# Altium PCB Copy of ToucanEyePCB.PcbDoc (part 1 of 3) (continued)
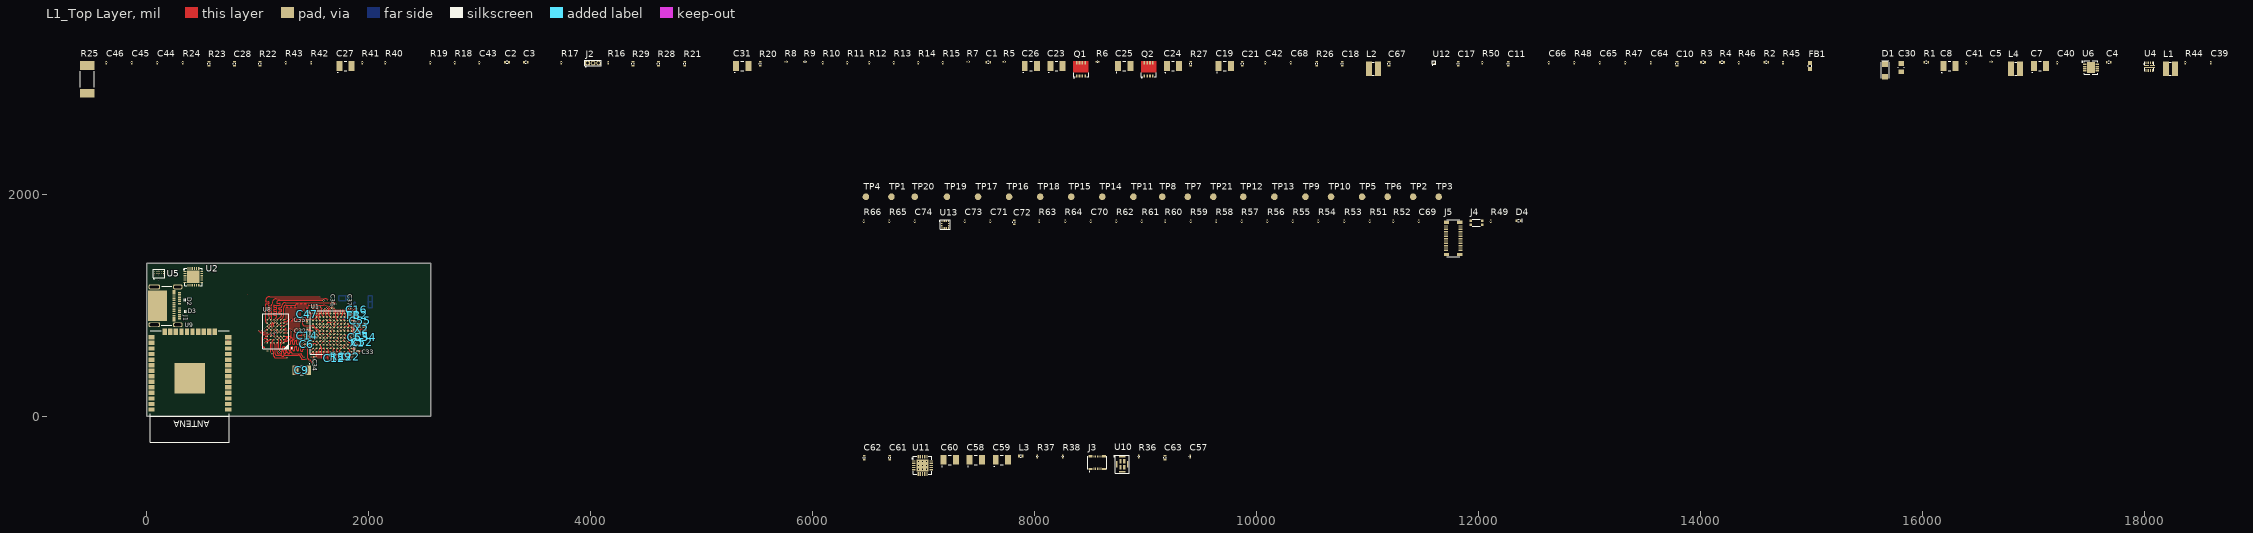
[diagram p0: L1_Top Layer view]
## Part data (continued)
J1: "MOLEX         105450-0101             USB Connector, USB Type C, USB 3.1, Receptacle, 24 Ways, Surface Mount, Right Angle", Manufacturer=Molex, Max Operating Temperature=85°C, Min Operating Temperature=-30°C, Supplier Part Number 1=538-105450-0101, *PCBChecked=1, *SCHChecked=1, ComponentLink1Description=http://www.farnell.com/datasheets/2015275.pdf, ComponentLink1URL=http://www.farnell.com/datasheets/2015275.pdf, ComponentLink2Description=http://www.literature.molex.com/SQLImages/kelmscott/Molex/PDF_Images/987651-4081.PDF, ComponentLink2URL=http://www.literature.molex.com/SQLImages/kelmscott/Molex/PDF_Images/987651-4081.PDF, ComponentLink3Description=http://www.molex.com/pdm_docs/sd/1054500101_sd.pdf, ComponentLink3URL=http://www.molex.com/pdm_docs/sd/1054500101_sd.pdf, Connector Type="USB type C", Contact Material="Copper Alloy", Contact Plating=Nickel,Gold, Gender=Receptacle, Housing Material=Thermoplastic, Length=8.94mm, Manufacturer Part Number=105450-0101, Mount="Surface Mount,Horizontal", Number of Contacts=24, Number of Ports=1, Number of Terminals=24, Orientation="Right Angle", Packaging="Tape and Reel", Pitch=0.5mm, Pricing 1="1=1.87, 10=1.69, 50=1.69, 100=1.54, 1000=1.31, 10000=1.02 (USD)", REACH SVHC=Unknown, Stock 1=15165, Supplier 1=Mouser, Termination=Solder, USB Standard="USB 3.1"
J3: "CONN RCPT 10POS 0.4MM SMD GOLD", Manufacturer=Hirose, Package Quantity=1, Supplier Part Number 1=798-BM10NB0610DS4V51, *PCBChecked=1, *SCHChecked=1, ComponentLink1Description=http://www.mouser.com/catalog/specsheets/BM10_Flyer.pdf, ComponentLink1URL=http://www.mouser.com/catalog/specsheets/BM10_Flyer.pdf, ComponentLink2Description=https://www.hirose.com/product/download/?distributor=digikey&type=2d&lang=en&num=BM10NB(0.6)-10DS-0.4V(51), ComponentLink2URL=https://www.hirose.com/product/download/?distributor=digikey&type=2d&lang=en&num=BM10NB(0.6)-10DS-0.4V(51), Connector Type=Receptacle, Contact Plating=Gold, Manufacturer Part Number=BM10NB(0.6)-10DS-0.4V(51), Mount="Surface Mount", Number of Positions=10, Number of Rows=2, Packaging="Tape and Reel", Pitch=0.016inch, Pricing 1="1=0.63, 10=0.501, 50=0.501, 100=0.414, 1000=0.326, 10000=0.263 (USD)", Stack Height=0.6mm, Stock 1=3831, Supplier 1=Mouser, Termination=SMD/SMT
J4: "Tactile Switch SPST-NO Top Actuated Surface Mount", Manufacturer=Panasonic, Max Operating Temperature=85°C, Min Operating Temperature=-40°C, Operating Force=160gf, Supplier Part Number 1=667-EVP-BB2A9B000, *PCBChecked=1, *SCHChecked=1, ComponentLink1Description=//media.digikey.com/pdf/Data%20Sheets/Panasonic%20Switches%20PDFs/EVP-BB_Series_NPI.pdf, ComponentLink1URL=//media.digikey.com/pdf/Data%20Sheets/Panasonic%20Switches%20PDFs/EVP-BB_Series_NPI.pdf, Illumination Type=Non-Illuminated, Lead Free="Lead Free", Manufacturer Part Number=EVP-BB2A9B000, Mechanical Life=500000Cycles, Mount="Surface Mount", Packaging="Tape and Reel", Pricing 1="1=0.7, 10=0.528, 50=0.528, 100=0.462, 1000=0.32, 10000=0.266 (USD)", Stock 1=15065, Supplier 1=Mouser, Switch Function=Off-Mom, Switch Travel=0.11mm, Termination="Gull Wing", Throw Configuration=SPST
J5: "CONN SOCKET F4S .4MM 30POS SMD", Contact Resistance=90mR, Current Rating=300mA, Insulation Resistance=1GR, Manufacturer=Panasonic, Max Current Rating=5A, Max Operating Temperature=85°C, Max Voltage Rating (AC)=60V, Min Operating Temperature=-55°C, Package Quantity=1, Supplier Part Number 1=769-AXT530124, *PCBChecked=1, *SCHChecked=1, ComponentLink1Description=http://components.arrow.com/part/dataview/0323_03238060, ComponentLink1URL=http://components.arrow.com/part/dataview/0323_03238060, ComponentLink2Description=http://components.arrow.com/part/dataview/46992153S8061598N2972, ComponentLink2URL=http://components.arrow.com/part/dataview/46992153S8061598N2972, ComponentLink3Description=http://www.mouser.com/ds/2/315/f4s-catalog-1075850.pdf, ComponentLink3URL=http://www.mouser.com/ds/2/315/f4s-catalog-1075850.pdf, ComponentLink4Description=http://www.onlinecomponents.com/datasheet/axt530124.aspx?p=10552986, ComponentLink4URL=http://www.onlinecomponents.com/datasheet/axt530124.aspx?p=10552986, ComponentLink5Description=https://www.verical.com/server-webapp/html/getDatasheet?partID=80226, ComponentLink5URL=https://www.verical.com/server-webapp/html/getDatasheet?partID=80226, ComponentLink6Description=http://www3.panasonic.biz/ac/e_download/control/connector/base-fpc/catalog/con_eng_f4s.pdf, ComponentLink6URL=http://www3.panasonic.biz/ac/e_download/control/connector/base-fpc/catalog/con_eng_f4s.pdf, ComponentLink7Description=http://panasonic-denko.co.jp/ac/e_download/control/connector/base-fpc/catalog/con_eng_f4s.pdf?via=ok, ComponentLink7URL=http://panasonic-denko.co.jp/ac/e_download/control/connector/base-fpc/catalog/con_eng_f4s.pdf?via=ok, Connector Type=Socket, Contact Material="Copper Alloy", Contact Plating=Nickel,Gold, Depth=3mm, Housing Material=Polymer, Lead Free="Lead Free", Length=8.5mm, Manufacturer Part Number=AXT530124, Max Voltage Rating (DC)=60V, Mount="Surface Mount", Number of Contacts=30, Number of Positions=30, Number of Rows=2, Orientation=Straight, Packaging="Tape and Reel", Pitch=0.4mm, Pricing 1="1=2.05, 10=1.75, 50=1.75, 100=1.45, 1000=1.14, 10000=1.02 (USD)", Radiation Hardening=No, Stock 1=5060, Supplier 1=Mouser, Termination=Solder, Voltage Rating=60V
L1: "WURTH ELEKTRONIK         74438334010            Surface Mount Power Inductor, WE-MAPI Series, 1 H,  20%, Shielded, 0.0505 ohm, 2.75 A", Case/Package=SMD/SMT, Case Code (Imperial)=1212, Case Code (Metric)=3030, Current Rating=2.75A, DC Resistance (DCR)=50.5mR, Inductance=1uH, Inductance Tolerance=20%, Manufacturer="Wurth Electronics", Manufacturer Part Number=74438334010, Max Operating Temperature=125°C, Min Operating Temperature=-40°C, Package Quantity=1000, Saturation Current=6.6A, Self Resonant Frequency=80MHz, Series Resistance=42.1mR, Supplier Part Number 1=710-74438334010, Test Frequency=100kHz, *PCBChecked=1, *SCHChecked=1, ComponentLink1Description=https://datasheet.ciiva.com/23954/1754798-23954760.pdf, ComponentLink1URL=https://datasheet.ciiva.com/23954/1754798-23954760.pdf, ComponentLink2Description=https://datasheet.ciiva.com/24213/74438334010-268062-24213867.pdf, ComponentLink2URL=https://datasheet.ciiva.com/24213/74438334010-268062-24213867.pdf, ComponentLink3Description=https://datasheet.ciiva.com/29696/74438334010-29696486.pdf, ComponentLink3URL=https://datasheet.ciiva.com/29696/74438334010-29696486.pdf, ComponentLink4Description=https://datasheet.ciiva.com/30489/0900766b812968ea-30489189.pdf, ComponentLink4URL=https://datasheet.ciiva.com/30489/0900766b812968ea-30489189.pdf, ComponentLink5Description=https://datasheet.ciiva.com/29696/74438334010-29696487.pdf, ComponentLink5URL=https://datasheet.ciiva.com/29696/74438334010-29696487.pdf, ComponentLink6Description=https://datasheet.ciiva.com/22748/1754798-22748266.pdf, ComponentLink6URL=https://datasheet.ciiva.com/22748/1754798-22748266.pdf, ComponentLink7Description=https://datasheet.ciiva.com/29696/74438334010-29696488.pdf, ComponentLink7URL=https://datasheet.ciiva.com/29696/74438334010-29696488.pdf, Core Material=Ferrite,Metal,Composite, Depth=3mm, Height=1.2mm, Height - Seated (Max)=0.047inch, Length=3mm, Max DC Current=2.75A, Mount="Surface Mount", Packaging="Tape and Reel", Pricing 1="1=1.13, 10=1.1, 50=1.03, 100=0.961, 1000=0.813, 10000=0.813 (USD)", REACH SVHC=Unknown, RMS Current (Irms)=2.75A, Shielding=Shielded, Stock 1=1206, Supplier 1=Mouser, Termination=SMD/SMT, Tolerance=20%, Width=0.118inch
L2: "WURTH ELEKTRONIK         74438336010             Surface Mount Power Inductor, WE-MAPI Series, 1 H, 4 A, 5 A, Shielded, 0.032 ohm", Case/Package=SMD/SMT, Case Code (Imperial)=1212, Case Code (Metric)=3030, Current Rating=4A, DC Resistance (DCR)=32mR, Inductance=1uH, Inductance Tolerance=20%, Manufacturer="Wurth Electronics", Manufacturer Part Number=74438336010, Max Operating Temperature=125°C, Min Operating Temperature=-40°C, Package Quantity=1000, Saturation Current=5A, Self Resonant Frequency=67MHz, Supplier Part Number 1=710-74438336010, Test Frequency=100kHz, *PCBChecked=1, *SCHChecked=1, ComponentLink1Description=http://www.mouser.com/ds/2/445/74438336010-370092.pdf, ComponentLink1URL=http://www.mouser.com/ds/2/445/74438336010-370092.pdf, ComponentLink2Description=http://www.farnell.com/datasheets/1850891.pdf, ComponentLink2URL=http://www.farnell.com/datasheets/1850891.pdf, Core Material=Ferrite,Metal,Composite, Height=2mm, Height - Seated (Max)=0.079inch, Length=0.118inch, Max DC Current=4A, Mount="Surface Mount", Number of Pins=2, Packaging="Tape and Reel", Pricing 1="1=1.45, 10=1.4, 50=1.32, 100=1.23, 1000=0.93, 10000=0.832 (USD)", REACH SVHC=Unknown, RMS Current (Irms)=4A, Shielding=Shielded, Stock 1=604, Supplier 1=Mouser, Termination=SMD/SMT, Tolerance=20%, Width=0.118inch
L3: "FIXED IND 6.2NH 760MA 83 MOHM", Case/Package=0402, Case Code (Metric)=1005, Current Rating=760mA, DC Resistance (DCR)=83mR, Frequency=250MHz, Inductance=6.2nh, Inductance Tolerance=5%, Manufacturer="Wurth Electronics", Max Operating Temperature=125°C, Min Operating Temperature=-40°C, Package Quantity=3000, Self Resonant Frequency=5.8GHz, Supplier Part Number 1=710-744765062A, *PCBChecked=1, *SCHChecked=1, Case Code (Imperial)=0402, ComponentLink1Description=https://datasheet.ciiva.com/11803/0900766b80f88b46-11803524.pdf, ComponentLink1URL=https://datasheet.ciiva.com/11803/0900766b80f88b46-11803524.pdf, ComponentLink2Description=https://datasheet.ciiva.com/6027/426746-6027077.pdf, ComponentLink2URL=https://datasheet.ciiva.com/6027/426746-6027077.pdf, ComponentLink3Description=https://datasheet.ciiva.com/1049/744765062a-1049024.pdf, ComponentLink3URL=https://datasheet.ciiva.com/1049/744765062a-1049024.pdf, ComponentLink4Description=https://datasheet.ciiva.com/4978/744765062a-58674-4978771.pdf, ComponentLink4URL=https://datasheet.ciiva.com/4978/744765062a-58674-4978771.pdf, ComponentLink5Description=https://datasheet.ciiva.com/26308/744765062a-eng-tds-26308299.pdf, ComponentLink5URL=https://datasheet.ciiva.com/26308/744765062a-eng-tds-26308299.pdf, ComponentLink6Description=https://datasheet.ciiva.com/7695/426746-7695834.pdf, ComponentLink6URL=https://datasheet.ciiva.com/7695/426746-7695834.pdf, Composition=Wirewound,Ceramic, Core Material=Ceramic, Depth=0.55mm, Height=0.5mm, Height - Seated (Max)=0.024inch, Length=1mm, Manufacturer Part Number=744765062A, Material=Ceramic, Max DC Current=760mA, Mount="Surface Mount", Number of Pins=2, Packaging="Tape and Reel", Pricing 1="1=0.41, 10=0.39, 50=0.363, 100=0.336, 1000=0.282, 10000=0.255 (USD)", Q Factor=23, REACH SVHC=Unknown, Resistance=83mR, Series Resistance=83mR, Shielding=Unshielded, Stock 1=1056, Supplier 1=Mouser, Termination=SMD/SMT, Test Frequency=250MHz, Tolerance=5%, Weight=2.3E-05oz, Width=0.55mm
L4: "WURTH ELEKTRONIK         74438335150            Surface Mount Power Inductor, WE-MAPI Series, 15 H,  20%, Shielded, 0.83 ohm, 650 mA", Case/Package=SMD/SMT, Case Code (Imperial)=1212, Case Code (Metric)=3030, Current Rating=650mA, DC Resistance (DCR)=830mR, Inductance=15uH, Inductance Tolerance=20%, Manufacturer="Wurth Electronics", Manufacturer Part Number=74438335150, Max Operating Temperature=125°C, Min Operating Temperature=-40°C, Package Quantity=1000, Saturation Current=1.71A, Self Resonant Frequency=14MHz, Series Resistance=720mR, Supplier Part Number 1=710-74438335150, Test Frequency=100kHz, *PCBChecked=1, *SCHChecked=1, ComponentLink1Description=https://datasheet.ciiva.com/29696/74438335150-29696475.pdf, ComponentLink1URL=https://datasheet.ciiva.com/29696/74438335150-29696475.pdf, ComponentLink2Description=https://datasheet.ciiva.com/24213/74438335150-268046-24213869.pdf, ComponentLink2URL=https://datasheet.ciiva.com/24213/74438335150-268046-24213869.pdf, ComponentLink3Description=https://datasheet.ciiva.com/30489/0900766b81296902-30489264.pdf, ComponentLink3URL=https://datasheet.ciiva.com/30489/0900766b81296902-30489264.pdf, ComponentLink4Description=https://datasheet.ciiva.com/23954/1754808-23954774.pdf, ComponentLink4URL=https://datasheet.ciiva.com/23954/1754808-23954774.pdf, ComponentLink5Description=https://datasheet.ciiva.com/29696/74438335150-29696477.pdf, ComponentLink5URL=https://datasheet.ciiva.com/29696/74438335150-29696477.pdf, ComponentLink6Description=https://datasheet.ciiva.com/48425/74438335150-eng-tds-48425116.pdf, ComponentLink6URL=https://datasheet.ciiva.com/48425/74438335150-eng-tds-48425116.pdf, ComponentLink7Description=https://datasheet.ciiva.com/22748/1754808-22748283.pdf, ComponentLink7URL=https://datasheet.ciiva.com/22748/1754808-22748283.pdf, ComponentLink8Description=https://datasheet.ciiva.com/29696/74438335150-29696476.pdf, ComponentLink8URL=https://datasheet.ciiva.com/29696/74438335150-29696476.pdf, Core Material=Ferrite,Metal,Composite, Depth=3mm, Height=1.5mm, Height - Seated (Max)=0.059inch, Length=3mm, Max DC Current=650mA, Mount="Surface Mount", Packaging="Tape and Reel", Pricing 1="1=1.57, 10=1.54, 50=1.44, 100=1.34, 1000=1.13, 10000=1.05 (USD)", REACH SVHC=Unknown, RMS Current (Irms)=650mA, Shielding=Shielded, Stock 1=1128, Supplier 1=Mouser, Termination=SMD/SMT, Tolerance=20%, Width=0.118inch
Q1 Q2: "POWER MOSFET", Continuous Drain Current (ID)=9A, Drain to Source Voltage (Vdss)=30V, Input Capacitance=2.615nF, Manufacturer=STMicroelectronics, Max Operating Temperature=150°C, Max Power Dissipation=3W, Min Operating Temperature=-55°C, Supplier Part Number 1=511-STL9P3LLH6, *PCBChecked=1, *SCHChecked=1, ComponentLink1Description=http://www.st.com/content/ccc/resource/sales_and_marketing/promotional_material/brochure/group0/cb/7a/af/56/f7/bd/47/e9/Brochure%20Power%20management%20guide/files/Brochure_Power_Management.pdf/jcr:content/translations/en.Brochure_Power_Management.pdf, ComponentLink1URL=http://www.st.com/content/ccc/resource/sales_and_marketing/promotional_material/brochure/group0/cb/7a/af/56/f7/bd/47/e9/Brochure%20Power%20management%20guide/files/Brochure_Power_Management.pdf/jcr:content/translations/en.Brochure_Power_Management.pdf, Manufacturer Part Number=STL9P3LLH6, Mount="Surface Mount", Number of Pins=8, Packaging="Tape and Reel", Pricing 1="1=0.96, 10=0.812, 50=0.812, 100=0.624, 1000=0.435, 10000=0.372 (USD)", Rds On Max=15mR, Stock 1=2202, Supplier 1=Mouser
R1: "Thick Film Resistors - SMD 1/16watt 50Kohms 1% Non Standard", Case/Package=0402, Case Code (Metric)=1005, Manufacturer="Vishay Dale", Manufacturer Part Number=CRCW040250K0FKED, Max Operating Temperature=155°C, Min Operating Temperature=-55°C, Package Quantity=10000, Power Rating=63mW, Resistance=50kR, Supplier Part Number 1=71-CRCW0402-50K-E3, Tolerance=1%, Voltage Rating=50V, *PCBChecked=1, *SCHChecked=1, Case Code (Imperial)=0402, ComponentLink1Description=https://datasheet.ciiva.com/5600/dcrcwe3-109170-5600763.pdf, ComponentLink1URL=https://datasheet.ciiva.com/5600/dcrcwe3-109170-5600763.pdf, Composition="Thick Film", Height=0.35mm, Lead Free="Lead Free", Length=1mm, Packaging="Tape and Reel", Pricing 1="1=0.55, 10=0.296, 50=0.296, 100=0.169, 1000=0.119, 10000=0.107 (USD)", Stock 1=13958, Supplier 1=Mouser, Termination=SMD/SMT, Weight=2.3E-05oz, Width=0.5mm
R2: "Res Thick Film 0402 20K Ohm 1% 0.1W(1/10W) ±100ppm/C Molded SMD Automotive T/R", Case/Package=0402, Case Code (Metric)=1005, Manufacturer="Panasonic ECG", Manufacturer Part Number=ERJ-2RKF2002X, Max Operating Temperature=155°C, Max Power Dissipation=100mW, Min Operating Temperature=-55°C, Package Quantity=1, Resistance=20kR, Supplier Part Number 1=667-ERJ-2RKF2002X, Temperature Coefficient=100ppm/°C, Tolerance=1%, Voltage Rating=50V, *PCBChecked=1, *SCHChecked=1, Case Code (Imperial)=0402, ComponentLink1Description=https://datasheet.ciiva.com/11821/0900766b80f80784-11821220.pdf, ComponentLink1URL=https://datasheet.ciiva.com/11821/0900766b80f80784-11821220.pdf, ComponentLink2Description=https://datasheet.ciiva.com/24159/aoa0000ce2-24159274.pdf, ComponentLink2URL=https://datasheet.ciiva.com/24159/aoa0000ce2-24159274.pdf, ComponentLink3Description=https://datasheet.ciiva.com/6138/426256-6138761.pdf, ComponentLink3URL=https://datasheet.ciiva.com/6138/426256-6138761.pdf, ComponentLink4Description=https://datasheet.ciiva.com/16508/aoa0000ce2-16508524.pdf, ComponentLink4URL=https://datasheet.ciiva.com/16508/aoa0000ce2-16508524.pdf, ComponentLink5Description=https://datasheet.ciiva.com/30049/aoa0000ce2-30049982.pdf, ComponentLink5URL=https://datasheet.ciiva.com/30049/aoa0000ce2-30049982.pdf, ComponentLink6Description=https://datasheet.ciiva.com/16514/aoa0000ce2-16514269.pdf, ComponentLink6URL=https://datasheet.ciiva.com/16514/aoa0000ce2-16514269.pdf, ComponentLink7Description=https://datasheet.ciiva.com/16782/70260748-16782455.pdf, ComponentLink7URL=https://datasheet.ciiva.com/16782/70260748-16782455.pdf, ComponentLink8Description=https://datasheet.ciiva.com/16762/70260748-16762885.pdf, ComponentLink8URL=https://datasheet.ciiva.com/16762/70260748-16762885.pdf, ComponentLink9Description=https://datasheet.ciiva.com/48531/aoa0000ce2-48531063.pdf, ComponentLink9URL=https://datasheet.ciiva.com/48531/aoa0000ce2-48531063.pdf, ComponentLink10Description=https://datasheet.ciiva.com/46377/426256-46377368.pdf, ComponentLink10URL=https://datasheet.ciiva.com/46377/426256-46377368.pdf, ComponentLink11Description=https://datasheet.ciiva.com/28688/1678782-28688600.pdf, ComponentLink11URL=https://datasheet.ciiva.com/28688/1678782-28688600.pdf, Composition="Thick Film", Contact Plating=Tin, Depth=0.5mm, Height=0.35mm, Lead Free="Lead Free", Length=1mm, Military Standard=Not, Mount="Surface Mount", Number of Terminations=2, Packaging="Cut Tape", Power Rating=100mW, Pricing 1="1=0.15, 10=0.021, 50=0.021, 100=0.012, 1000=0.007, 10000=0.006 (USD)", Radiation Hardening=No, REACH SVHC="No SVHC", Stock 1=605668, Supplier 1=Mouser, Termination=SMD/SMT, Voltage Rating (DC)=50V, Weight=2.8E-05oz, Width=0.02inch
R3 R20 R21 R27: "Res Thick Film 0402 100K Ohm 1% 0.1W(1/10W) ±100ppm/C Molded SMD Automotive Punched T/R", Case/Package=0402, Case Code (Metric)=1005, Manufacturer="Panasonic ECG", Manufacturer Part Number=ERJ-2RKF1003X, Max Operating Temperature=155°C, Max Power Dissipation=100mW, Min Operating Temperature=-55°C, Package Quantity=1, Resistance=100kR, Supplier Part Number 1=667-ERJ-2RKF1003X, Temperature Coefficient=100ppm/°C, Tolerance=1%, Voltage Rating=50V, *PCBChecked=1, *SCHChecked=1, Case Code (Imperial)=0402, ComponentLink1Description=https://datasheet.ciiva.com/11821/0900766b80f80784-11821175.pdf, ComponentLink1URL=https://datasheet.ciiva.com/11821/0900766b80f80784-11821175.pdf, ComponentLink2Description=https://datasheet.ciiva.com/34303/1987038-34303550.pdf, ComponentLink2URL=https://datasheet.ciiva.com/34303/1987038-34303550.pdf, ComponentLink3Description=https://datasheet.ciiva.com/16784/70260748-16784190.pdf, ComponentLink3URL=https://datasheet.ciiva.com/16784/70260748-16784190.pdf, ComponentLink4Description=https://datasheet.ciiva.com/7830/426256-7830974.pdf, ComponentLink4URL=https://datasheet.ciiva.com/7830/426256-7830974.pdf, ComponentLink5Description=https://datasheet.ciiva.com/22723/426256-22723902.pdf, ComponentLink5URL=https://datasheet.ciiva.com/22723/426256-22723902.pdf, ComponentLink6Description=https://datasheet.ciiva.com/48531/aoa0000ce2-48531070.pdf, ComponentLink6URL=https://datasheet.ciiva.com/48531/aoa0000ce2-48531070.pdf, ComponentLink7Description=https://datasheet.ciiva.com/9186/aoa0000ce2-9186687.pdf, ComponentLink7URL=https://datasheet.ciiva.com/9186/aoa0000ce2-9186687.pdf, ComponentLink8Description=https://datasheet.ciiva.com/16778/70260748-16778055.pdf, ComponentLink8URL=https://datasheet.ciiva.com/16778/70260748-16778055.pdf, ComponentLink9Description=https://datasheet.ciiva.com/16522/aoa0000ce2-16522647.pdf, ComponentLink9URL=https://datasheet.ciiva.com/16522/aoa0000ce2-16522647.pdf, ComponentLink10Description=https://datasheet.ciiva.com/7830/aoa0000ce2-7830725.pdf, ComponentLink10URL=https://datasheet.ciiva.com/7830/aoa0000ce2-7830725.pdf, ComponentLink11Description=https://datasheet.ciiva.com/30245/aoa0000ce2-30245691.pdf, ComponentLink11URL=https://datasheet.ciiva.com/30245/aoa0000ce2-30245691.pdf, ComponentLink12Description=https://datasheet.ciiva.com/16440/aoa0000ce2-16440217.pdf, ComponentLink12URL=https://datasheet.ciiva.com/16440/aoa0000ce2-16440217.pdf, ComponentLink13Description=https://datasheet.ciiva.com/43467/1678782-43467480.pdf, ComponentLink13URL=https://datasheet.ciiva.com/43467/1678782-43467480.pdf, Composition="Thick Film", Contact Plating=Tin, Depth=0.5mm, Height=0.35mm, Lead Free="Lead Free", Length=1mm, Military Standard=Not, Mount="Surface Mount", Number of Pins=2, Number of Terminations=2, Packaging="Tape and Reel", Power Rating=100mW, Pricing 1="1=0.15, 10=0.021, 50=0.021, 100=0.012, 1000=0.007, 10000=0.006 (USD)", Radiation Hardening=No, REACH SVHC="No SVHC", Stock 1=1010747, Supplier 1=Mouser, Termination=SMD/SMT, Voltage Rating (DC)=50V, Width=0.5mm
R4 R29: "Thick Film Resistors - SMD 0.0ohm 1%", Case/Package=0402, Case Code (Metric)=1005, Manufacturer=Yageo, Manufacturer Part Number=RC0402FR-070RL, Max Operating Temperature=155°C, Min Operating Temperature=-55°C, Power Rating=62.5mW, Resistance=0R, Supplier Part Number 1=603-RC0402FR-070RL, Temperature Coefficient=200ppm/°C, Tolerance=1%, Voltage Rating=50V, *PCBChecked=1, *SCHChecked=1, Case Code (Imperial)=0402, ComponentLink1Description=https://datasheet.ciiva.com/28419/pyu-rc0402-51-rohs-l-6-28419661.pdf, ComponentLink1URL=https://datasheet.ciiva.com/28419/pyu-rc0402-51-rohs-l-6-28419661.pdf, ComponentLink2Description=https://datasheet.ciiva.com/16869/pyu-rc0402-51-rohs-l-6-16869518.pdf, ComponentLink2URL=https://datasheet.ciiva.com/16869/pyu-rc0402-51-rohs-l-6-16869518.pdf, ComponentLink3Description=https://datasheet.ciiva.com/8896/pyu-rc0402-51-rohs-l-6-8896149.pdf, ComponentLink3URL=https://datasheet.ciiva.com/8896/pyu-rc0402-51-rohs-l-6-8896149.pdf, ComponentLink4Description=https://datasheet.ciiva.com/16790/pyu-rc0402-51-rohs-l-6-r-16790444.pdf, ComponentLink4URL=https://datasheet.ciiva.com/16790/pyu-rc0402-51-rohs-l-6-r-16790444.pdf, Composition="Thick Film", Contact Plating=Tin,Matte, Height=0.35mm, Lead Free="Lead Free", Length=1mm, Packaging="Tape and Reel", Pricing 1="1=0.1, 10=0.01, 50=0.01, 100=0.003, 1000=0.002, 10000=0.002 (USD)", Radiation Hardening=No, Stock 1=112632, Supplier 1=Mouser, Termination=SMD/SMT, Width=0.5mm
R5 R6 R8 R9 R10 R11 R12 R13 R14 R15 R30 R31 R36 R40 R41 R42 R43: "RESISTOR, 0201, 0.05W, 1%, 10K", Case/Package=0201, Case Code (Metric)=0603, Manufacturer="Panasonic ECG", Manufacturer Part Number=ERJ-1GNF1002C, Max Operating Temperature=125°C, Max Power Dissipation=50mW, Min Operating Temperature=-55°C, Package Quantity=15000, Resistance=10kR, Supplier Part Number 1=667-ERJ-1GNF1002C, Temperature Coefficient=200ppm/°C, Tolerance=1%, Voltage Rating=25V, *PCBChecked=1, *SCHChecked=1, Case Code (Imperial)=0201, ComponentLink1Description=https://datasheet.ciiva.com/16508/aoa0000ce2-16508478.pdf, ComponentLink1URL=https://datasheet.ciiva.com/16508/aoa0000ce2-16508478.pdf, ComponentLink2Description=https://datasheet.ciiva.com/28514/1678782-28514095.pdf, ComponentLink2URL=https://datasheet.ciiva.com/28514/1678782-28514095.pdf, ComponentLink3Description=https://datasheet.ciiva.com/28514/1678782-28514085.pdf, ComponentLink3URL=https://datasheet.ciiva.com/28514/1678782-28514085.pdf, ComponentLink4Description=https://datasheet.ciiva.com/43467/1678782-43467078.pdf, ComponentLink4URL=https://datasheet.ciiva.com/43467/1678782-43467078.pdf, Composition="Thick Film", Contact Plating=Tin,Matte, Depth=0.3mm, Height=0.01inch, Lead Free="Lead Free", Length=0.6mm, Military Standard=Not, Mount="Surface Mount", Number of Pins=2, Number of Terminations=2, Packaging="Tape and Reel", Power Rating=50mW, Pricing 1="1=0.49, 10=0.045, 50=0.045, 100=0.018, 1000=0.013, 10000=0.007 (USD)", Radiation Hardening=No, REACH SVHC=Unknown, Stock 1=896102, Supplier 1=Mouser, Voltage Rating (DC)=25V, Width=0.012inch
R7 R18 R19 R24 R46 R48: "RESISTOR, 0201, 0.05W, 1%, 1K", Case/Package=0201, Case Code (Metric)=0603, Manufacturer="Panasonic ECG", Manufacturer Part Number=ERJ-1GNF1001C, Max Operating Temperature=125°C, Max Power Dissipation=50mW, Min Operating Temperature=-55°C, Package Quantity=15000, Resistance=1kR, Supplier Part Number 1=667-ERJ-1GNF1001C, Temperature Coefficient=200ppm/°C, Tolerance=1%, Voltage Rating=25V, *PCBChecked=1, *SCHChecked=1, Case Code (Imperial)=0201, ComponentLink1Description=https://datasheet.ciiva.com/30263/aoa0000ce2-30263997.pdf, ComponentLink1URL=https://datasheet.ciiva.com/30263/aoa0000ce2-30263997.pdf, ComponentLink2Description=https://datasheet.ciiva.com/28532/1678782-28532076.pdf, ComponentLink2URL=https://datasheet.ciiva.com/28532/1678782-28532076.pdf, ComponentLink3Description=https://datasheet.ciiva.com/43467/1678782-43467054.pdf, ComponentLink3URL=https://datasheet.ciiva.com/43467/1678782-43467054.pdf, ComponentLink4Description=https://datasheet.ciiva.com/15821/erj1gn-15821006.pdf, ComponentLink4URL=https://datasheet.ciiva.com/15821/erj1gn-15821006.pdf, ComponentLink5Description=https://datasheet.ciiva.com/7942/aoa0000ce2-7942424.pdf, ComponentLink5URL=https://datasheet.ciiva.com/7942/aoa0000ce2-7942424.pdf, ComponentLink6Description=https://datasheet.ciiva.com/16437/aoa0000ce2-16437749.pdf, ComponentLink6URL=https://datasheet.ciiva.com/16437/aoa0000ce2-16437749.pdf, ComponentLink7Description=https://datasheet.ciiva.com/24160/aoa0000ce2-24160460.pdf, ComponentLink7URL=https://datasheet.ciiva.com/24160/aoa0000ce2-24160460.pdf, ComponentLink8Description=https://datasheet.ciiva.com/46375/1678782-46375611.pdf, ComponentLink8URL=https://datasheet.ciiva.com/46375/1678782-46375611.pdf, Composition="Thick Film", Contact Plating=Tin,Matte, Height=0.01inch, Lead Free="Lead Free", Length=0.6mm, Mount="Surface Mount", Number of Pins=2, Number of Terminations=2, Packaging="Tape and Reel", Power Rating=50mW, Pricing 1="1=0.43, 10=0.039, 50=0.039, 100=0.016, 1000=0.011, 10000=0.006 (USD)", Radiation Hardening=No, REACH SVHC=Unknown, Stock 1=193064, Supplier 1=Mouser, Termination=SMD/SMT, Voltage Rating (DC)=25V, Weight=6E-06oz, Width=0.012inch
R16 R17 R34 R35 R66: "RES SMD 0.0OHM JUMPER 1/20W 0201", Case/Package=0201, Case Code (Metric)=0603, Manufacturer=Panasonic, Manufacturer Part Number=ERJ-1GN0R00C, Max Operating Temperature=125°C, Min Operating Temperature=-55°C, Package Quantity=15000, Power Rating=50mW, Resistance=0R, Supplier Part Number 1=667-ERJ-1GN0R00C, Temperature Coefficient=600ppm/°C, Tolerance=1%, Voltage Rating=25V, *PCBChecked=1, *SCHChecked=1, Case Code (Imperial)=0201, ComponentLink1Description=https://datasheet.ciiva.com/22730/1678796-22730749.pdf, ComponentLink1URL=https://datasheet.ciiva.com/22730/1678796-22730749.pdf, Composition="Thick Film", Contact Plating=Tin, Depth=0.3mm, Height=0.23mm, Lead Free="Lead Free", Length=0.6mm, Military Standard=Not, Mount="Surface Mount", Packaging="Tape and Reel", Pricing 1="1=0.21, 10=0.02, 50=0.02, 100=0.008, 1000=0.005, 10000=0.003 (USD)", REACH SVHC=Unknown, Stock 1=835293, Supplier 1=Mouser, Voltage Rating (DC)=25V, Width=0.3mm
R22: "RESISTOR, THICK FILM, 0402, 1.8MOHM, 5%, 100mW", Case/Package=0402, Case Code (Metric)=1005, Manufacturer="Panasonic ECG", Manufacturer Part Number=ERJ-2GEJ185X, Max Operating Temperature=155°C, Max Power Dissipation=100mW, Min Operating Temperature=-55°C, Package Quantity=1, Resistance=1.8MR, Supplier Part Number 1=667-ERJ-2GEJ185X, Temperature Coefficient=150ppm/°C, Tolerance=5%, Voltage Rating=50V, *PCBChecked=1, *SCHChecked=1, Case Code (Imperial)=0402, ComponentLink1Description=https://datasheet.ciiva.com/8080/aoa0000ce1-8080140.pdf, ComponentLink1URL=https://datasheet.ciiva.com/8080/aoa0000ce1-8080140.pdf, ComponentLink2Description=https://datasheet.ciiva.com/9119/aoa0000ce1-9119071.pdf, ComponentLink2URL=https://datasheet.ciiva.com/9119/aoa0000ce1-9119071.pdf, ComponentLink3Description=https://datasheet.ciiva.com/9197/aoa0000ce1-9197631.pdf, ComponentLink3URL=https://datasheet.ciiva.com/9197/aoa0000ce1-9197631.pdf, ComponentLink4Description=https://datasheet.ciiva.com/30218/4aoa0000ce1-30218742.pdf, ComponentLink4URL=https://datasheet.ciiva.com/30218/4aoa0000ce1-30218742.pdf, ComponentLink5Description=https://datasheet.ciiva.com/43470/1678796-43470038.pdf, ComponentLink5URL=https://datasheet.ciiva.com/43470/1678796-43470038.pdf, ComponentLink6Description=https://datasheet.ciiva.com/46379/1678796-46379142.pdf, ComponentLink6URL=https://datasheet.ciiva.com/46379/1678796-46379142.pdf, Composition="Thick Film", Contact Plating=Tin, Depth=0.5mm, Height=0.016inch, Length=1mm, Military Standard=Not, Mount="Surface Mount", Number of Terminations=2, Packaging="Cut Tape", Power Rating=100mW, Pricing 1="1=0.1, 10=0.015, 50=0.015, 100=0.009, 1000=0.006, 10000=0.004 (USD)", Radiation Hardening=No, REACH SVHC="No SVHC", Stock 1=75539, Supplier 1=Mouser, Voltage Rating (DC)=50V, Width=0.02inch
R23: "RESISTOR, THICK FILM, 18.2KOHM, 100mW, ± 1%", Case/Package=0402, Case Code (Metric)=1005, Manufacturer="Panasonic ECG", Manufacturer Part Number=ERJ-2RKF1822X, Max Operating Temperature=155°C, Max Power Dissipation=100mW, Min Operating Temperature=-55°C, Package Quantity=1, Resistance=18.2kR, Supplier Part Number 1=667-ERJ-2RKF1822X, Temperature Coefficient=100ppm/°C, Tolerance=1%, Voltage Rating=50V, *PCBChecked=1, *SCHChecked=1, Case Code (Imperial)=0402, ComponentLink1Description=https://datasheet.ciiva.com/22682/1678782-22682442.pdf, ComponentLink1URL=https://datasheet.ciiva.com/22682/1678782-22682442.pdf, ComponentLink2Description=https://datasheet.ciiva.com/16765/70260748-16765144.pdf, ComponentLink2URL=https://datasheet.ciiva.com/16765/70260748-16765144.pdf, ComponentLink3Description=https://datasheet.ciiva.com/24026/aoa0000ce2-24026892.pdf, ComponentLink3URL=https://datasheet.ciiva.com/24026/aoa0000ce2-24026892.pdf, ComponentLink4Description=https://datasheet.ciiva.com/43467/1678782-43467421.pdf, ComponentLink4URL=https://datasheet.ciiva.com/43467/1678782-43467421.pdf, ComponentLink5Description=https://datasheet.ciiva.com/16785/70260748-16785165.pdf, ComponentLink5URL=https://datasheet.ciiva.com/16785/70260748-16785165.pdf, ComponentLink6Description=https://datasheet.ciiva.com/7829/1678782-7829303.pdf, ComponentLink6URL=https://datasheet.ciiva.com/7829/1678782-7829303.pdf, ComponentLink7Description=https://datasheet.ciiva.com/46373/1678782-46373814.pdf, ComponentLink7URL=https://datasheet.ciiva.com/46373/1678782-46373814.pdf, ComponentLink8Description=https://datasheet.ciiva.com/9192/aoa0000ce2-9192375.pdf, ComponentLink8URL=https://datasheet.ciiva.com/9192/aoa0000ce2-9192375.pdf, ComponentLink9Description=https://datasheet.ciiva.com/46373/1678782-46373815.pdf, ComponentLink9URL=https://datasheet.ciiva.com/46373/1678782-46373815.pdf, ComponentLink10Description=https://datasheet.ciiva.com/28531/1694929-28531495.pdf, ComponentLink10URL=https://datasheet.ciiva.com/28531/1694929-28531495.pdf, Composition="Thick Film", Contact Plating=Tin, Depth=0.5mm, Height=0.016inch, Lead Free="Lead Free", Length=1mm, Military Standard=Not, Mount="Surface Mount", Number of Terminations=2, Packaging="Tape and Reel", Power Rating=100mW, Pricing 1="1=0.15, 10=0.021, 50=0.021, 100=0.012, 1000=0.007, 10000=0.006 (USD)", REACH SVHC="No SVHC", Stock 1=120784, Supplier 1=Mouser, Termination=SMD/SMT, Voltage Rating (DC)=50V, Width=0.02inch
R25: "WALSIN         WW25RR010FTL             SMD Current Sense Resistor, 0.01 ohm, 2512 [6432 Metric], 2 W,  1%, WW25R Series", Case Code (Imperial)=2512, Case Code (Metric)=6432, Manufacturer="Walsin Technologies", Manufacturer Part Number=WW25RR010FTL, Power Rating=2W, Resistance=10mR, Temperature Coefficient=75ppm/°C, Tolerance=1%, *PCBChecked=1, *SCHChecked=1, ComponentLink1Description=http://www.farnell.com/datasheets/1960328.pdf, ComponentLink1URL=http://www.farnell.com/datasheets/1960328.pdf, Composition="Metal Strip", Packaging="Cut Tape", Pricing 1="5=0.2318, 25=0.2073, 100=0.1705, 1000=0.1582, 4000=0.1337 (USD)", REACH SVHC=Unknown, Stock 1=8495, Supplier 1=TME, Supplier Part Number 1=WW25RR010FTL
R26: "Res Thick Film 0402 274K Ohm 1% 0.1W(1/10W) ±100ppm/C Molded SMD Automotive Punched T/R", Case/Package=0402, Case Code (Metric)=1005, Manufacturer="Panasonic ECG", Manufacturer Part Number=ERJ-2RKF2743X, Max Operating Temperature=155°C, Max Power Dissipation=100mW, Min Operating Temperature=-55°C, Package Quantity=1, Resistance=274kR, Supplier Part Number 1=667-ERJ-2RKF2743X, Temperature Coefficient=100ppm/°C, Tolerance=1%, Voltage Rating=50V, Case Code (Imperial)=0402, ComponentLink1Description=https://datasheet.ciiva.com/16766/70260748-16766893.pdf, ComponentLink1URL=https://datasheet.ciiva.com/16766/70260748-16766893.pdf, ComponentLink2Description=https://datasheet.ciiva.com/7853/aoa0000ce2-7853692.pdf, ComponentLink2URL=https://datasheet.ciiva.com/7853/aoa0000ce2-7853692.pdf, ComponentLink3Description=https://datasheet.ciiva.com/43467/1678782-43467519.pdf, ComponentLink3URL=https://datasheet.ciiva.com/43467/1678782-43467519.pdf, ComponentLink4Description=https://datasheet.ciiva.com/24023/aoa0000ce2-24023838.pdf, ComponentLink4URL=https://datasheet.ciiva.com/24023/aoa0000ce2-24023838.pdf, ComponentLink5Description=https://datasheet.ciiva.com/30072/aoa0000ce2-30072587.pdf, ComponentLink5URL=https://datasheet.ciiva.com/30072/aoa0000ce2-30072587.pdf, ComponentLink6Description=https://datasheet.ciiva.com/46373/1678782-46373237.pdf, ComponentLink6URL=https://datasheet.ciiva.com/46373/1678782-46373237.pdf, ComponentLink7Description=https://datasheet.ciiva.com/16772/70260748-16772533.pdf, ComponentLink7URL=https://datasheet.ciiva.com/16772/70260748-16772533.pdf, ComponentLink8Description=https://datasheet.ciiva.com/9183/aoa0000ce2-9183531.pdf, ComponentLink8URL=https://datasheet.ciiva.com/9183/aoa0000ce2-9183531.pdf, ComponentLink9Description=https://datasheet.ciiva.com/22673/1678782-22673766.pdf, ComponentLink9URL=https://datasheet.ciiva.com/22673/1678782-22673766.pdf, Composition="Thick Film", Contact Plating=Tin, Depth=0.5mm, Height=0.35mm, Lead Free="Lead Free", Length=1mm, Military Standard=Not, Mount="Surface Mount", Number of Terminations=2, Packaging="Tape and Reel", Power Rating=100mW, Pricing 1="1=0.15, 10=0.021, 50=0.021, 100=0.012, 1000=0.007, 10000=0.006 (USD)", REACH SVHC="No SVHC", Stock 1=108759, Supplier 1=Mouser, Termination=SMD/SMT, Voltage Rating (DC)=50V, Width=0.02inch
R28: "Res Thick Film 0402 124 Ohm 1% 0.1W(1/10W) ±100ppm/C Molded SMD Automotive Punched T/R", Case/Package=0402, Case Code (Metric)=1005, Manufacturer="Panasonic ECG", Manufacturer Part Number=ERJ-2RKF1240X, Max Operating Temperature=155°C, Max Power Dissipation=100mW, Min Operating Temperature=-55°C, Package Quantity=1, Resistance=124R, Supplier Part Number 1=667-ERJ-2RKF1240X, Temperature Coefficient=100ppm/°C, Tolerance=1%, Voltage Rating=50V, *PCBChecked=1, *SCHChecked=1, Case Code (Imperial)=0402, ComponentLink1Description=https://datasheet.ciiva.com/22682/1678782-22682424.pdf, ComponentLink1URL=https://datasheet.ciiva.com/22682/1678782-22682424.pdf, ComponentLink2Description=https://datasheet.ciiva.com/7942/aoa0000ce2-7942344.pdf, ComponentLink2URL=https://datasheet.ciiva.com/7942/aoa0000ce2-7942344.pdf, ComponentLink3Description=https://datasheet.ciiva.com/43467/1678782-43467230.pdf, ComponentLink3URL=https://datasheet.ciiva.com/43467/1678782-43467230.pdf, ComponentLink4Description=https://datasheet.ciiva.com/16765/70260748-16765596.pdf, ComponentLink4URL=https://datasheet.ciiva.com/16765/70260748-16765596.pdf, ComponentLink5Description=https://datasheet.ciiva.com/46373/1678782-46373831.pdf, ComponentLink5URL=https://datasheet.ciiva.com/46373/1678782-46373831.pdf, ComponentLink6Description=https://datasheet.ciiva.com/46373/1678782-46373830.pdf, ComponentLink6URL=https://datasheet.ciiva.com/46373/1678782-46373830.pdf, ComponentLink7Description=https://datasheet.ciiva.com/9186/aoa0000ce2-9186053.pdf, ComponentLink7URL=https://datasheet.ciiva.com/9186/aoa0000ce2-9186053.pdf, ComponentLink8Description=https://datasheet.ciiva.com/30058/aoa0000ce2-30058295.pdf, ComponentLink8URL=https://datasheet.ciiva.com/30058/aoa0000ce2-30058295.pdf, ComponentLink9Description=https://datasheet.ciiva.com/16764/70260748-16764375.pdf, ComponentLink9URL=https://datasheet.ciiva.com/16764/70260748-16764375.pdf, Composition="Thick Film", Contact Plating=Tin, Depth=0.5mm, Height=0.35mm, Lead Free="Lead Free", Length=1mm, Military Standard=Not, Mount="Surface Mount", Number of Terminations=2, Packaging="Tape and Reel", Power Rating=100mW, Pricing 1="1=0.15, 10=0.021, 50=0.021, 100=0.012, 1000=0.007, 10000=0.006 (USD)", REACH SVHC=Unknown, Stock 1=58450, Supplier 1=Mouser, Termination=SMD/SMT, Voltage Rating (DC)=50V, Width=0.02inch
R37: "Thick Film Resistors - SMD 0201 88.7Kohm 1% Halogen Free", Case/Package=0201, Case Code (Metric)=0603, Manufacturer="Panasonic ECG", Manufacturer Part Number=ERJ-1GNF8872C, Max Operating Temperature=125°C, Max Power Dissipation=50mW, Min Operating Temperature=-55°C, Package Quantity=15000, Resistance=88.7kR, Supplier Part Number 1=667-ERJ-1GNF8872C, Temperature Coefficient=200ppm/°C, Tolerance=1%, Voltage Rating=25V, *PCBChecked=1, *SCHChecked=1, Case Code (Imperial)=0201, ComponentLink1Description=https://datasheet.ciiva.com/24026/aoa0000ce2-24026679.pdf, ComponentLink1URL=https://datasheet.ciiva.com/24026/aoa0000ce2-24026679.pdf, Composition="Thick Film", Contact Plating=Tin,Matte, Height=0.01inch, Length=0.024inch, Mount="Surface Mount", Number of Terminations=2, Packaging="Tape and Reel", Power Rating=50mW, Pricing 1="1=0.49, 10=0.045, 50=0.045, 100=0.018, 1000=0.013, 10000=0.007 (USD)", Radiation Hardening=No, Stock 1=34794, Supplier 1=Mouser, Width=0.3mm
R38: "Res Thick Film 0201 453K Ohm 1% 0.05W(1/20W) ±200ppm/C Molded SMD Paper T/R", Case/Package=0201, Case Code (Metric)=0603, Manufacturer=Yageo, Manufacturer Part Number=RC0201FR-07453KL, Max Operating Temperature=125°C, Max Power Dissipation=50mW, Min Operating Temperature=-55°C, Resistance=453kR, Supplier Part Number 1=603-RC0201FR-07453KL, Temperature Coefficient=200ppm/°C, Tolerance=1%, *PCBChecked=1, *SCHChecked=1, Case Code (Imperial)=0201, ComponentLink1Description=http://components.arrow.com/part/dataview/0323_03291826, ComponentLink1URL=http://components.arrow.com/part/dataview/0323_03291826, ComponentLink2Description=http://www.yageo.com.tw/exep/pages/download/literatures/PYu-R_INT-thick_7.pdf, ComponentLink2URL=http://www.yageo.com.tw/exep/pages/download/literatures/PYu-R_INT-thick_7.pdf, ComponentLink3Description=http://www.yageo.com/documents/recent/PYu-RC0201_51_RoHS_L_(8).pdf, ComponentLink3URL=http://www.yageo.com/documents/recent/PYu-RC0201_51_RoHS_L_(8).pdf, Composition="Thick Film", Depth=0.3mm, Height=0.01inch, Lead Free="Lead Free", Length=0.024inch, Military Standard=Not, Number of Terminations=2, Packaging="Tape and Reel", Power Rating=50mW, Pricing 1="1=0.1, 10=0.029, 50=0.029, 100=0.01, 1000=0.007, 10000=0.004 (USD)", Stock 1=21967, Supplier 1=Mouser, Width=0.012inch
R39 R50: "RES SMD 100K OHM 5% 1/20W 0201", Case/Package=0201, Case Code (Metric)=0603, Manufacturer="Vishay Dale", Manufacturer Part Number=CRCW0201100KJN-ED, Max Operating Temperature=155°C, Max Power Dissipation=50mW, Min Operating Temperature=-55°C, Package Quantity=1, Resistance=100kR, Supplier Part Number 1=71-CRCW0201100KJNED, Temperature Coefficient=200ppm/°C, Tolerance=5%, Voltage Rating=30V, *PCBChecked=1, *SCHChecked=1, Case Code (Imperial)=0201, ComponentLink1Description=https://datasheet.ciiva.com/2498/crcw0201e3-2498781.pdf, ComponentLink1URL=https://datasheet.ciiva.com/2498/crcw0201e3-2498781.pdf, ComponentLink2Description=https://datasheet.ciiva.com/16436/dcrcwe3-16436221.pdf, ComponentLink2URL=https://datasheet.ciiva.com/16436/dcrcwe3-16436221.pdf, ComponentLink3Description=https://datasheet.ciiva.com/2498/crcw0201e3-2498779.pdf, ComponentLink3URL=https://datasheet.ciiva.com/2498/crcw0201e3-2498779.pdf, ComponentLink4Description=https://datasheet.ciiva.com/2498/crcw0201e3-2498780.pdf, ComponentLink4URL=https://datasheet.ciiva.com/2498/crcw0201e3-2498780.pdf, Composition="Thick Film", Contact Plating=Tin, Depth=0.3mm, Height=0.011inch, Lead Free="Lead Free", Length=0.6mm, Military Standard=Not, Number of Pins=2, Number of Terminations=2, Packaging="Tape and Reel", Power Rating=50mW, Pricing 1="1=0.13, 10=0.063, 50=0.063, 100=0.028, 1000=0.017, 10000=0.013 (USD)", Radiation Hardening=No, REACH SVHC=Unknown, Stock 1=126286, Supplier 1=Mouser, Voltage Rating (DC)=30V, Weight=6E-06oz, Width=0.3mm